# Altium PCB spd150.PcbDoc (part 9 of 16) (continued)
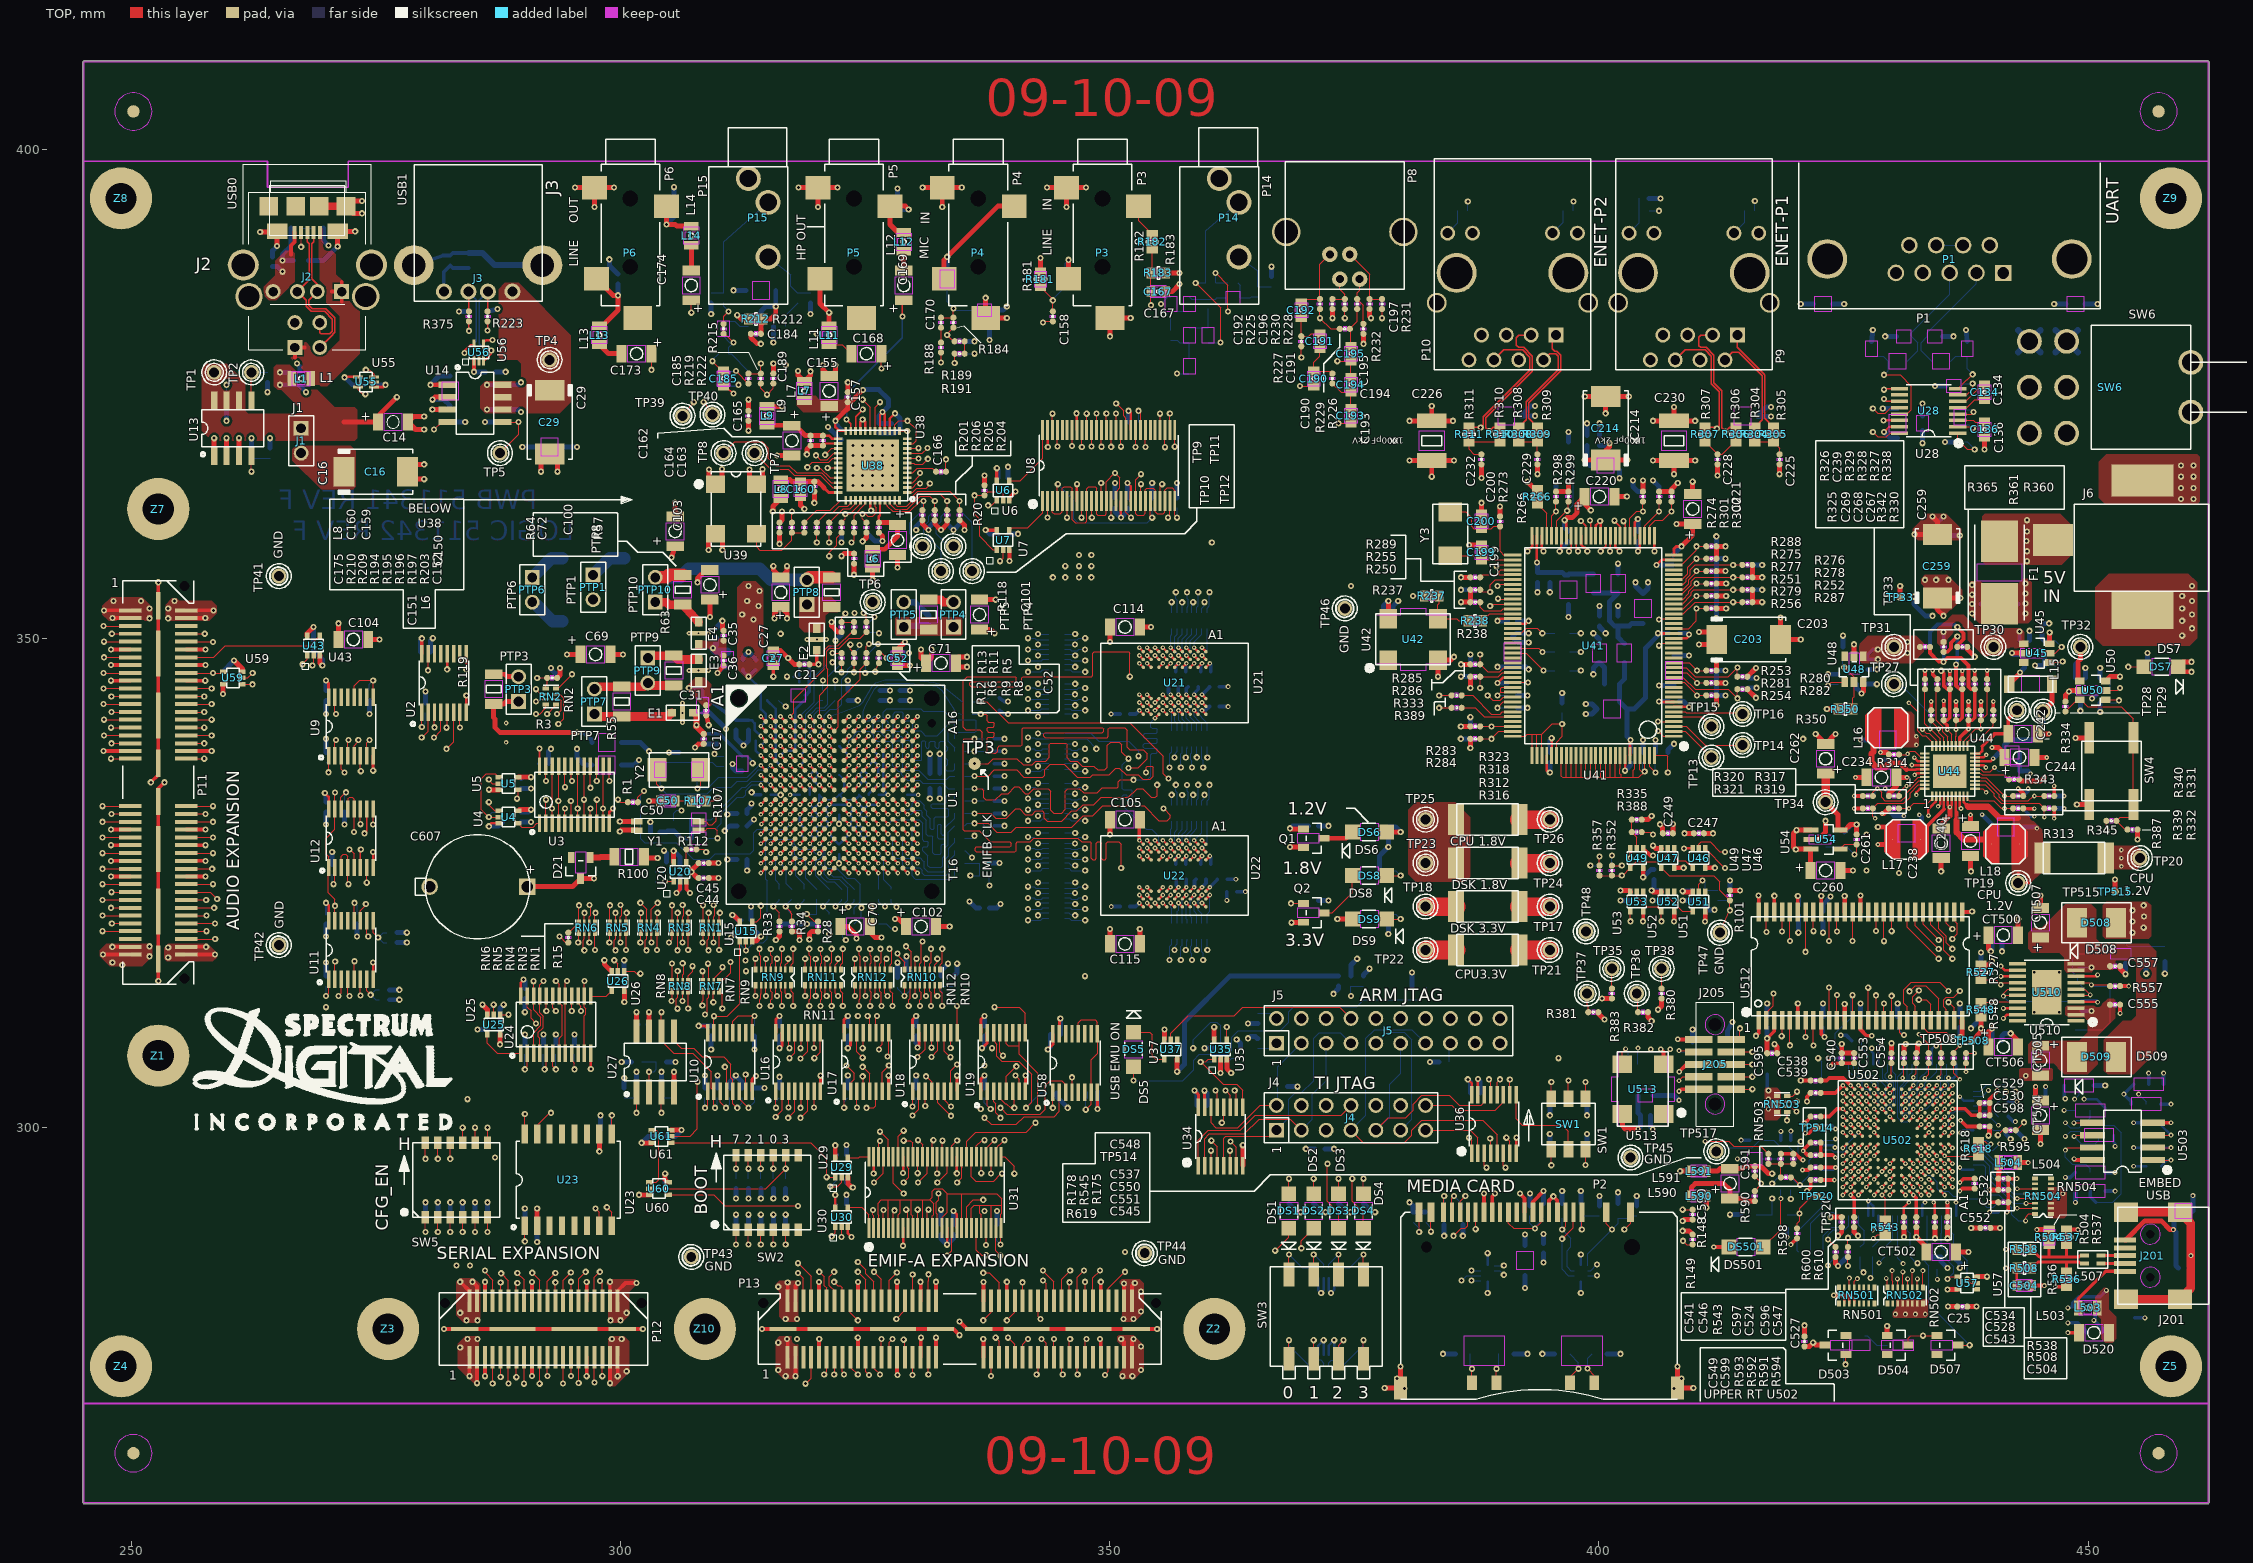
[diagram p0: TOP view]
## Nets (pads, with @x,y where several pads share a name; then routed paths per layer and width w, separated by ;. In a path a pad name is that pad's centre, name@x,y a point inside that pad or via, vN(x,y) a via of type N, cw(c..) or ccw(c..) an arc to the next point about the centre after c; other vN are vias at no path point) (continued)
  BOTTOM w0.127: v1(356.87,377.063) C176.1@358.14,377.063
HANDSET_SPKR_N: C185.1 U38.22 | length 23.1
  TOP w0.132: C185.1@310.515,375.793 v1(311.531,375.031) ; U38.22@324.005,371.196 324.005,372.646 v1(324.739,373.38)
  LYR4-SIG w0.132: v1(311.531,375.031) 311.531,375.539 310.642,376.428 310.642,377.317 311.531,378.206 312.547,378.206 313.944,376.809 315.849,376.809 318.48,374.178 322.87,374.178 323.883,373.164 323.952,373.052 324.134,373.007 v1(324.739,373.38)
HANDSET_SPKR_P: C169.1 C186.2 U38.23 | length 35.8
  TOP w0.132: v1(323.088,372.364) 323.505,371.947 U38.23@323.505,371.196 ; v1(328.803,382.905) 328.803,384.429 C169.1@328.93,384.556
  LYR4-SIG w0.132: v1(312.039,375.92) 311.965,375.846 311.584,375.846 310.896,376.535 310.896,377.21 311.638,377.952 312.44,377.952 313.837,376.555 315.742,376.555 318.374,373.924 322.763,373.924 323.68,373.004 323.685,372.994 323.731,372.92 323.69,372.737 v1(323.088,372.364)
  BOTTOM w0.132: C186.2@310.515,375.793 311.912,375.793 v1(312.039,375.92) ; v1(323.088,372.364) 323.088,375.031 328.803,380.746 v1(328.803,382.905)
HEADSET_MIC_N: C193.1 U38.10 | length 53.4
  TOP w0.127: U38.10@329.286,369.415 330.401,369.415 v1(330.426,369.44) ; v1(373.38,371.983) C193.1@374.65,371.983
  LYR3-SIG w0.127: v1(330.426,369.44) 330.07,369.44 329.438,368.808 329.438,368.046 330.073,367.411 330.962,367.411 331.343,367.03 335.915,367.03 343.916,375.031 370.332,375.031 v1(373.38,371.983)
HEADSET_MIC_P: C190.1 U38.9 | length 49.5
  TOP w0.127: U38.9@329.286,368.915 330.84,368.915 v1(331.368,369.443) ; v1(369.443,375.793) C190.1@370.84,375.793
  LYR3-SIG w0.127: v1(331.368,369.443) 331.216,369.443 330.683,368.91 330.175,368.91 329.819,368.554 329.819,368.046 330.2,367.665 331.089,367.665 331.343,367.411 335.153,367.411 343.154,375.412 369.062,375.412 v1(369.443,375.793)
HEADSET_SPKR_N: R231.1 U38.19 | length 61
  TOP w0.127: v1(324.739,374.396) 325.506,373.629 U38.19@325.506,371.196 ; v1(377.825,382.727) R231.1@377.825,383.667
  LYR7-SIG w0.127: v1(324.739,374.396) 326.263,375.92 348.615,375.92 354.457,381.762 376.86,381.762 v1(377.825,382.727)
HEADSET_SPKR_P: C168.1 R230.1 U38.18 | length 58.6
  TOP w0.127: U38.18@326.004,371.196 326.004,373.629 v1(326.517,374.142) ; v1(326.644,377.571) C168.1@326.644,379.095 ; v1(374.015,382.727) R230.1@374.015,383.667
  LYR7-SIG w0.127: v1(326.644,377.571) 349.25,377.571 353.695,382.016 373.304,382.016 v1(374.015,382.727)
  LYR8-SIG w0.127: v1(326.517,374.142) 326.644,374.269 v1(326.644,377.571)
HOLDN_WP: JP505.2 U503.7 | length 7
  TOP w0.127: v3(447.675,297.688) 447.929,297.942 U503.7@450.431,297.942
  BOTTOM w0.127: v3(447.675,297.688) 447.675,296.931 448.366,296.24 449.758,296.24 450.215,295.783 JP505.2@450.215,295.402
HWPOVR: R262.2 R279.1 U41.27 | length 4.9
  TOP w0.127: U41.27@407.645,353.004 408.63,353.004 v1(409.956,354.33) R279.1@410.972,354.33
  BOTTOM w0.127: v1(409.956,354.33) R262.2@410.972,354.33
I2C0_SCL: P11.7 P12.19 R42.2 R333.1 U10.2 U27.6 U38.1 U44.30 | length 369.8
  TOP w0.127: v1(247.98,350.469) P11.7@249.86,350.469 ; v1(291.719,273.812) P12.19@291.719,276.53 ; v1(304.165,311.785) U27.6@304.165,309.791 304.165,308.864 305.435,307.594 307.34,307.594 309.245,305.689 309.245,303.997 U10.2@309.524,303.718 309.524,302.108 v1(309.626,302.006) ; U38.1@329.286,364.917 329.865,364.917 330.276,365.328 331.216,365.328 331.597,365.709 v1(331.597,365.836) ; v1(383.667,344.17) R333.1@384.937,344.17 ; v2(431.673,343.408) 432.562,342.519 432.562,340.538 433.045,340.055 433.4,340.055 434.066,339.39 U44.30@434.066,338.988
  LYR3-SIG w0.127: v1(331.597,365.836) 338.785,365.836 339.471,366.522 342.265,366.522 343.916,368.173 356.235,368.173 379.285,345.123 382.714,345.123 v1(383.667,344.17) 387.35,344.17 392.811,338.709 407.416,338.709 409.575,336.55 413.639,336.55 420.497,343.408 v2(431.673,343.408)
  LYR4-SIG w0.127: v1(291.719,273.812) 292.608,273.812 293.243,274.447 294.259,274.447 295.402,273.304 297.586,273.304 305.562,281.28 305.562,297.053 309.626,301.117 v1(309.626,302.006) ; v1(304.165,311.785) 304.165,312.674 306.578,315.087 308.262,315.087 310.642,317.467 310.642,318.577 308.166,321.053 308.166,321.627 306.387,323.405 304.863,323.405 300.482,327.787 300.482,338.074 304.165,341.757 304.165,343.662 305.562,345.059 305.562,346.71 308.864,350.012 309.499,350.012 311.658,352.171 311.658,353.949 312.547,354.838 313.309,354.838 314.325,355.854 316.992,355.854 319.024,357.886 323.596,357.886 325.628,359.918 325.628,361.823 330.2,366.395 331.038,366.395 v1(331.597,365.836)
  LYR7-SIG w0.127: v1(247.98,350.469) 248.768,351.257 252.324,351.257 252.73,351.663 252.73,354.965 254.762,356.997 259.105,356.997 272.821,370.713 288.925,370.713 293.37,375.158 310.134,375.158 312.166,373.126 322.199,373.126 322.453,372.872 322.453,371.983 322.834,371.602 327.279,371.602 329.565,369.316 329.565,366.852 330.048,366.37 331.064,366.37 v1(331.597,365.836)
  BOTTOM w0.127: v1(309.626,302.006) 309.88,302.26 R42.2@309.88,303.022
I2C0_SDA: P11.5 P12.21 R40.2 R389.1 U10.5 U27.5 U38.2 U44.29 | length 366.6
  TOP w0.127: v1(247.142,351.257) P11.5@249.86,351.257 ; v1(292.506,274.599) P12.21@292.506,276.53 ; U27.5@305.435,309.791 305.435,308.864 306.197,308.102 307.467,308.102 308.356,307.213 310.528,307.213 311.257,306.484 311.257,305.097 311.475,304.879 U10.5@311.475,303.718 311.475,302.443 v1(311.912,302.006) ; U38.2@329.286,365.415 329.855,365.415 330.276,365.836 v1(330.581,365.836) ; v1(383.667,342.9) R389.1@384.937,342.9 ; v2(433.07,340.688) 433.448,340.309 433.756,340.309 434.464,339.601 U44.29@434.464,338.988
  LYR3-SIG w0.127: v1(330.581,365.836) 331.292,365.125 339.344,365.125 340.055,365.836 342.087,365.836 344.17,367.919 356.108,367.919 380.428,343.599 382.969,343.599 v1(383.667,342.9) 387.812,342.9 391.922,338.79 391.922,338.328 394.589,335.661 413.385,335.661 418.719,340.995 425.016,340.995 425.323,340.688 v2(433.07,340.688)
  LYR4-SIG w0.127: v1(292.506,274.599) 292.506,276.758 299.466,283.718 299.466,294.813 299.928,295.275 307.932,303.276 310.642,303.276 v1(311.912,302.006) 311.912,304.038 309.88,306.07 309.88,307.594 311.658,309.372 311.658,314.198 312.039,314.579 312.039,317.551 308.737,320.853 308.737,321.437 306.324,323.85 306.324,324.231 306.07,324.485 304.165,324.485 300.736,327.914 300.736,337.82 304.8,341.884 304.8,343.408 305.94,344.548 305.94,346.453 308.991,349.504 312.166,349.504 317.373,354.711 320.929,354.711 326.263,360.045 326.263,361.518 v1(330.581,365.836)
  LYR7-SIG w0.127: v1(247.142,351.257) 247.142,350.52 247.701,349.961 248.412,349.961 248.92,350.469 253.365,350.469 271.577,368.681 282.956,368.681 283.781,367.856 289.877,367.856 292.354,370.332 321.183,370.332 323.342,368.173 328.041,368.173 328.803,367.411 328.803,366.522 329.489,365.836 v1(330.581,365.836)
  BOTTOM w0.127: v1(311.912,302.006) 312.42,302.514 R40.2@312.42,303.022
JCLK: R604.1 U511.61 | length 3.3
  BOTTOM w0.127: U511.61@431.531,290.957 431.531,289.448 431.8,289.179 R604.1@431.8,287.782
JTAG_EMU0: J4.13 U36.2 | length 7.3
  TOP w0.127: J4.13@382.27,299.72 386.842,299.72 387.629,298.933 U36.2@387.629,297.368
JTAG_EMU1: J4.14 U36.11 | length 9.3
  TOP w0.127: J4.14@382.27,302.26 384.937,302.26 385.445,301.752 389.382,301.752 390.23,302.6 U36.11@390.23,303.342
JTAG_RTCK: J4.9 J5.11 U36.14 | length 24.2
  TOP w0.127: J4.9@377.19,299.72 378.46,300.99 380.238,300.99 381,301.752 381,302.387 381.889,303.276 384.683,303.276 385.699,302.26 387.985,302.26 388.28,302.555 U36.14@388.28,303.342
  BOTTOM w0.127: J4.9@377.19,299.72 378.587,301.117 378.587,304.419 379.73,305.562 J5.11@379.73,308.61
JTAG_TCK: J4.11 J5.9 U34.11 | length 36.1
  TOP w0.127: v1(361.823,303.784) 362.29,303.317 U34.11@362.29,302.072
  LYR3-SIG w0.127: v1(361.823,303.784) 362.331,304.292 363.347,304.292 366.649,300.99 378.46,300.99 J4.11@379.73,299.72
  BOTTOM w0.127: J5.9@377.19,308.61 378.333,309.753 380.111,309.753 380.873,308.991 380.873,300.863 J4.11@379.73,299.72
JTAG_TDI: J4.3 J5.5 U34.2 | length 23.9
  TOP w0.127: U34.2@359.689,296.098 359.689,298.856 360.172,299.339 363.728,299.339 365.252,300.863 368.427,300.863 J4.3@369.57,299.72
  BOTTOM w0.127: J4.3@369.57,299.72 370.713,300.863 370.713,303.403 372.11,304.8 J5.5@372.11,308.61
JTAG_TDO: J4.7 J5.13 U36.5 | length 36.3
  TOP w0.127: J4.7@374.65,299.72 375.92,298.45 380.111,298.45 380.873,299.212 380.873,299.72 381.889,300.736 388.112,300.736 389.58,299.268 U36.5@389.58,297.368
  BOTTOM w0.127: J4.7@374.65,299.72 376.174,301.244 376.174,309.118 377.063,310.007 380.873,310.007 J5.13@382.27,308.61
JTAG_TMS: J4.1 J5.7 U34.5 | length 24.4
  TOP w0.127: U34.5@361.64,296.098 361.64,298.902 361.823,299.085 366.395,299.085 J4.1@367.03,299.72
  BOTTOM w0.127: J4.1@367.03,299.72 368.3,300.99 368.3,302.895 368.935,303.53 369.57,303.53 370.84,304.8 370.84,309.118 371.411,309.69 373.57,309.69 J5.7@374.65,308.61
JTAG_TRSTN: R605.1 U511.71 | length 3.6
  BOTTOM w0.127: U511.71@426.527,290.957 426.527,290.007 427.101,289.433 427.101,288.163 R605.1@426.72,287.782
JTAG_TRSTN_223: J4.2 J5.3 R169.1 U34.14 | length 16.8
  TOP w0.127: U34.14@360.34,302.072 360.34,300.482 360.848,299.974 363.093,299.974 365.379,302.26 J4.2@367.03,302.26
  BOTTOM w0.127: J4.2@367.03,302.26 367.157,302.387 R169.1@367.157,304.165 367.157,306.197 J5.3@369.57,308.61
M_EMIFB_D16: RN22.8 U22.A8 | length 3.6
  TOP w0.254: U22.A8@359.819,323.355 v2(360.218,323.756)
  BOTTOM w0.127: RN22.8@359.959,320.853 359.959,321.818 360.218,322.077 v2(360.218,323.756)
M_EMIFB_D17: RN22.6 U22.B9 | length 2.8
  TOP w0.254: v2(358.618,322.956) U22.B9@359.019,322.555
  BOTTOM w0.127: v2(358.618,322.956) 358.618,322.087 358.887,321.818 RN22.6@358.887,320.853
M_EMIFB_D18: RN22.7 U22.B8 | length 3.8
  TOP w0.254: U22.B8@359.019,323.355 v2(359.418,323.756)
  BOTTOM w0.102: 359.283,321.945 359.024,322.204 359.024,323.121 359.418,323.515 v2(359.418,323.756)
  BOTTOM w0.127: 359.283,321.945 359.385,321.843 RN22.7@359.385,320.853
M_EMIFB_D19: RN22.4 U22.C9 | length 2.7
  TOP w0.254: v2(357.817,322.956) U22.C9@358.219,322.555
  BOTTOM w0.127: v2(357.817,322.956) 357.817,321.945 357.817,321.361 357.891,321.287 RN22.4@357.891,320.853
M_EMIFB_D20: RN22.5 U22.C8 | length 3.7
  TOP w0.254: U22.C8@358.219,323.355 v2(358.618,323.756)
  BOTTOM w0.102: 358.224,321.988 358.224,323.121 358.618,323.515 v2(358.618,323.756)
  BOTTOM w0.127: 358.224,321.988 358.224,321.607 358.394,321.437 358.394,320.858 RN22.5@358.389,320.853
M_EMIFB_D21: RN22.2 U22.D9 | length 2.7
  TOP w0.254: v2(357.017,322.956) U22.D9@357.419,322.555
  BOTTOM w0.127: RN22.2@356.895,320.853 356.895,322.077 357.017,322.199 v2(357.017,322.956)
M_EMIFB_D22: RN22.3 U22.D8 | length 3.6
  TOP w0.254: U22.D8@357.419,323.355 v2(357.817,323.756)
  BOTTOM w0.102: 357.393,321.945 357.411,321.963 357.411,323.35 v2(357.817,323.756)
  BOTTOM w0.127: RN22.3@357.393,320.853 357.393,321.945
M_EMIFB_D23: RN22.1 U22.E9 | length 2.7
  TOP w0.254: v2(356.217,322.956) U22.E9@356.619,322.555
  BOTTOM w0.127: v2(356.217,322.956) 356.217,322.453 356.321,322.349 356.321,321.945 RN22.1@356.321,320.853
MBSP1IO_CLKX: RN504.11 U502.C8 U511.40 | length 31.2
  TOP w0.127: v3(442.747,293.736) RN504.11@444.576,293.736
  TOP w0.254: v2(429.727,294.701) U502.C8@430.129,295.102
  LYR3-SIG w0.102: v2(429.727,294.701) 429.334,294.307 429.334,292.153 430.53,290.957
  LYR3-SIG w0.127: 430.53,290.957 431.038,290.449 442.849,290.449 444.5,292.1 444.5,293.37 444.134,293.736 v3(442.747,293.736)
  BOTTOM w0.127: U511.40@438.277,297.703 439.278,297.703 441.96,295.021 441.96,294.513 442.737,293.736 v3(442.747,293.736)
MBSP1IO_DR: RN504.14 U502.D8 U511.43 | length 26.4
  TOP w0.127: v3(443.652,292.242) RN504.14@444.576,292.242
  TOP w0.254: v2(429.727,295.501) U502.D8@430.129,295.902
  LYR3-SIG w0.102: v2(429.727,295.501) 430.337,294.891 430.337,292.547 431.546,291.338 437.896,291.338
  LYR3-SIG w0.127: 437.896,291.338 438.467,291.909 441.261,291.909 441.594,292.242 v3(443.652,292.242)
  BOTTOM w0.127: U511.43@438.277,296.202 439.255,296.202 439.547,295.91 439.547,295.021 442.326,292.242 v3(443.652,292.242)
MBSP1IO_FSR: RN504.12 U502.A7 U511.41 | length 22.4
  TOP w0.127: v3(443.652,293.238) RN504.12@444.576,293.238
  TOP w0.254: U502.A7@430.931,293.502 v2(431.33,293.101)
  LYR3-SIG w0.102: v2(431.33,293.101) 431.683,292.748 431.914,292.748 432.702,291.96 436.867,291.96
  LYR3-SIG w0.127: 436.867,291.96 438.092,293.185 439.737,293.185 439.743,293.179 440.113,293.179 440.172,293.238 v3(443.652,293.238)
  BOTTOM w0.127: U511.41@438.277,297.203 439.27,297.203 440.309,296.164 440.309,295.275 442.346,293.238 v3(443.652,293.238)
MBSP1IO_FSX: RN504.13 U502.E8 U511.42 | length 26.1
  TOP w0.127: v3(442.747,292.74) RN504.13@444.576,292.74
  TOP w0.254: v2(429.727,296.301) U502.E8@430.129,296.702
  LYR3-SIG w0.102: v2(429.727,296.301) 430.54,295.488 430.54,292.862 431.81,291.592 437.261,291.592
  LYR3-SIG w0.127: 437.261,291.592 438.531,292.862 440.822,292.862 440.944,292.74 v3(442.747,292.74)
  BOTTOM w0.127: U511.42@438.277,296.702 439.263,296.702 439.928,296.037 439.928,295.148 442.336,292.74 v3(442.747,292.74)
MBSP2IO_CLKR: R543.1 U502.A9 | length 3.2
  TOP w0.102: v2(428.927,293.101) 429.26,292.768 R543.1@429.26,290.957
  TOP w0.127: v2(428.927,293.101) U502.A9@429.329,293.502 ; R543.1@429.26,290.576 R543.1@429.26,290.957
MIC_BIAS_HS: R190.1 R211.1 R217.1 R225.1 R229.1 | length 48.6
  TOP w0.127: v1(360.807,387.35) 362.077,386.08 v1(362.077,383.413) ; R225.1@371.475,383.667 v1(371.475,382.727) 372.567,381.635 R229.1@373.507,381.635
  LYR7-SIG w0.127: v1(336.169,379.095) 350.139,379.095 353.568,382.524 361.188,382.524 v1(362.077,383.413) 362.839,382.651 371.399,382.651 v1(371.475,382.727)
  BOTTOM w0.127: R190.1@335.153,379.095 v1(336.169,379.095) ; v1(360.807,387.35) R211.1@360.807,386.334 R217.1@362.077,386.334
MMC_SD_CLK: P2.5 P2.20 R156.2 R166.1 U31.36 U32.3 | length 83.7
  TOP w0.127: U31.36@335.354,297.002 335.354,298.597 336.291,299.535 341.445,299.535 v1(342.392,300.482) ; P2.5@390.743,291.338 390.743,290.231 391.287,289.687 v1(393.446,289.687) 394.094,290.335 P2.20@394.094,291.338
  LYR3-SIG w0.127: v1(342.392,300.482) 354.965,300.482 361.442,294.005 388.366,294.005 388.75,293.621 388.75,292.989 392.052,289.687 v1(393.446,289.687)
  LYR4-SIG w0.127: v1(393.446,289.687) 393.446,289.179 397.764,284.861 v1(399.796,284.861)
  BOTTOM w0.127: R166.1@392.938,290.957 392.938,290.195 v1(393.446,289.687) 393.446,289.814 R156.2@394.335,290.703 ; U32.3@398.831,284.861 v1(399.796,284.861)
MMC_SD_CMD: P2.2 P2.17 R155.2 R165.1 U31.34 U32.2 | length 85.1
  TOP w0.127: U31.34@336.354,297.002 336.354,298.127 336.931,298.704 v1(337.185,298.704) ; v1(387.393,289.603) P2.17@387.393,291.338 ; v1(398.242,289.56) P2.2@398.242,291.338
  LYR3-SIG w0.127: v1(337.185,298.704) 337.185,298.196 338.201,297.18 353.187,297.18 360.426,289.941 377.571,289.941 381.254,286.258 384.134,286.258 386.588,288.712 386.588,288.798 v1(387.393,289.603) 387.434,289.603 389.89,287.147 397.256,287.147 398.242,288.133 v1(398.242,289.56)
  LYR4-SIG w0.127: v1(398.242,289.56) 399.796,288.006 v1(399.796,286.004)
  BOTTOM w0.127: v1(398.242,289.56) 398.145,289.657 R155.2@398.145,290.703 398.399,290.957 R165.1@400.05,290.957 ; U32.2@398.831,285.369 399.161,285.369 v1(399.796,286.004)
MMC_SD_DATA0: P2.7 P2.22 R157.2 U31.54 U32.8 | length 90.1
  TOP w0.127: U31.54@326.357,297.002 326.357,298.468 v1(326.517,298.628) ; P2.7@385.818,291.338 385.818,292.473 v1(386.334,292.989) ; v1(396.24,289.56) 396.593,289.913 P2.22@396.593,291.338
  LYR3-SIG w0.127: v1(326.517,298.628) 327.05,299.161 329.514,299.161 330.302,299.949 339.115,299.949 339.979,299.085 354.203,299.085 360.553,292.735 379.349,292.735 380.365,291.719 385.064,291.719 v1(386.334,292.989) 391.287,288.036 396.392,288.036 396.748,288.392 396.748,289.052 v1(396.24,289.56)
  BOTTOM w0.127: R157.2@396.24,290.703 v1(396.24,289.56) 397.129,288.671 397.129,287.782 396.748,287.401 396.748,285.75 397.129,285.369 U32.8@397.459,285.369
MMC_SD_DATA1: P2.8 P2.23 R158.2 U31.52 U32.7 | length 89.3
  TOP w0.127: v1(326.517,299.568) 327.355,298.729 U31.52@327.355,297.002 ; P2.8@384.117,291.338 384.117,292.931 v1(384.175,292.989) ; v1(396.24,288.62) 397.393,289.773 P2.23@397.393,291.338
  LYR3-SIG w0.127: v1(326.517,299.568) 327.406,300.457 339.877,300.457 340.487,299.847 354.838,299.847 361.188,293.497 382.143,293.497 382.651,292.989 v1(384.175,292.989) 384.683,293.497 386.715,293.497 391.693,288.519 394.995,288.519 395.097,288.62 v1(396.24,288.62)
  BOTTOM w0.127: R158.2@384.175,291.592 v1(384.175,292.989) ; v1(396.24,288.62) 396.24,285.496 396.875,284.861 U32.7@397.459,284.861
MMC_SD_DATA2: P2.9 P2.24 R159.2 U31.50 U33.2 | length 94.4
  TOP w0.127: U31.50@328.356,297.002 328.356,299.095 v1(328.93,299.669) ; P2.24@384.967,291.338 384.967,292.765 v1(385.191,292.989) ; v1(402.59,289.56) 403.243,290.213 P2.9@403.243,291.338
  LYR3-SIG w0.127: v1(328.93,299.669) 329.463,300.203 339.496,300.203 340.233,299.466 354.457,299.466 360.807,293.116 381.381,293.116 382.079,292.417 384.619,292.417 v1(385.191,292.989) ; v1(390.271,284.937) 397.586,284.937 400.812,288.163 401.193,288.163 v1(402.59,289.56)
  LYR4-SIG w0.127: v1(385.191,292.989) 386.715,291.465 386.715,287.782 389.56,284.937 v1(390.271,284.937)
  BOTTOM w0.127: v1(385.191,292.989) 386.08,292.1 R159.2@386.08,291.592 ; U33.2@389.306,285.369 389.839,285.369 v1(390.271,284.937)
MMC_SD_DATA3: P2.1 P2.16 R154.2 R164.1 U31.47 U32.1 | length 99.5
  TOP w0.127: v1(328.93,298.653) 329.616,298.653 329.855,298.414 U31.47@329.855,297.002 ; v1(385.14,288.925) 385.902,289.687 386.334,289.687 386.598,289.951 P2.16@386.598,291.338 ; P2.1@400.743,291.338 400.743,290.137 v1(401.32,289.56)
  LYR3-SIG w0.127: v1(328.93,298.653) 329.387,298.653 330.429,299.695 337.083,299.695 337.693,299.085 337.693,298.493 338.625,297.561 353.441,297.561 360.68,290.322 377.825,290.322 381.508,286.639 383.54,286.639 385.14,288.239 v1(385.14,288.925) 386.41,290.195 387.858,290.195 390.398,287.655 397.002,287.655 397.383,288.036 397.383,289.433 398.145,290.195 400.685,290.195 v1(401.32,289.56)
  BOTTOM w0.127: U32.1@398.831,285.877 398.831,287.071 v1(401.32,289.56) 401.955,290.195 R154.2@401.955,290.703 402.971,290.703 403.225,290.957 R164.1@403.86,290.957
MMC_SD_DATA4: P2.10 R160.2 U31.45 U33.1 | length 86.2
  TOP w0.127: v1(330.378,298.704) 330.855,298.226 U31.45@330.855,297.002 ; v1(398.831,275.351) 398.831,275.321 399.517,274.635 P2.10@399.517,273.906
  LYR3-SIG w0.127: v1(330.378,298.704) 331.114,299.441 335.432,299.441 338.074,296.799 352.933,296.799 360.172,289.56 377.19,289.56 380.873,285.877 v1(390.271,285.877)
  LYR4-SIG w0.127: v1(390.271,285.877) 391.16,284.988 391.16,283.022 v1(398.831,275.351)
  BOTTOM w0.127: U33.1@389.306,285.877 v1(390.271,285.877) ; v1(398.831,275.351) 398.831,276.403 R160.2@399.288,276.86
MMC_SD_DATA5: P2.11 R161.2 U31.43 U33.8 | length 82.4
  TOP w0.127: U31.43@331.856,297.002 331.856,298.607 v1(331.953,298.704) ; P2.11@397.017,273.906 397.017,274.462 v1(397.891,275.336)
  LYR3-SIG w0.127: v1(331.953,298.704) 332.435,299.187 334.924,299.187 337.82,296.291 352.806,296.291 359.918,289.179 376.809,289.179 380.619,285.369 v1(386.969,285.369)
  LYR4-SIG w0.127: v1(386.969,285.369) 387.858,285.369 v1(397.891,275.336)
  BOTTOM w0.127: v1(386.969,285.369) U33.8@387.934,285.369 ; R161.2@397.002,276.86 397.891,275.971 v1(397.891,275.336)
MMC_SD_DATA6: P2.12 R162.2 U31.41 U33.7 | length 79.6
  TOP w0.127: U31.41@332.854,297.002 332.854,298.615 v1(332.892,298.653) ; P2.12@389.517,273.906 v1(389.517,275.336)
  LYR3-SIG w0.127: v1(332.892,298.653) 334.391,297.155 334.391,296.85 336.601,294.64 352.933,294.64 359.156,288.417 375.412,288.417 379.476,284.353 v1(385.953,284.353)
  LYR4-SIG w0.127: v1(385.953,284.353) 385.953,274.955 386.461,274.447 388.628,274.447 v1(389.517,275.336)
  BOTTOM w0.127: v1(385.953,284.353) 386.461,284.861 U33.7@387.934,284.861 ; v1(389.517,275.336) 389.763,275.582 R162.2@389.763,276.86
MMC_SD_DATA7: P2.13 R163.2 U31.39 U33.6 | length 73.5
  TOP w0.127: U31.39@333.855,297.002 333.855,298.143 v1(334.391,298.679) ; P2.13@387.017,273.906 v1(387.017,275.336)
  LYR3-SIG w0.127: v1(334.391,298.679) 337.287,295.783 337.609,295.783 337.642,295.816 338.064,295.816 338.097,295.783 352.552,295.783 359.537,288.798 376.238,288.798 380.047,284.988 386.334,284.988 v1(386.969,284.353)
  LYR4-SIG w0.127: v1(386.969,284.353) 386.969,275.384 v1(387.017,275.336)
  BOTTOM w0.127: R163.2@386.842,276.86 386.842,275.511 v1(387.017,275.336) ; v1(386.969,284.353) U33.6@387.934,284.353
MMC_SD_INS: P2.15 R167.1 U31.30 | length 52.7
  TOP w0.127: U31.30@338.353,297.002 338.353,297.851 338.712,298.209 338.722,298.209 v1(339.217,298.704) ; v1(382.819,289.347) P2.15@382.819,291.338
  LYR3-SIG w0.127: v1(339.217,298.704) 353.822,298.704 360.172,292.354 378.714,292.354 380.619,290.449 381.716,290.449 v1(382.819,289.347)
  BOTTOM w0.127: R167.1@382.27,290.322 382.819,289.773 v1(382.819,289.347)
MMC_SD_WP: P2.14 R168.1 U31.32 | length 52.6
  TOP w0.127: U31.32@337.353,297.002 337.353,297.856 v1(338.201,298.704) ; v1(381.617,289.324) P2.14@381.617,291.338
  LYR3-SIG w0.127: v1(338.201,298.704) 338.963,297.942 353.822,297.942 361.061,290.703 379.349,290.703 380.728,289.324 v1(381.617,289.324)
  BOTTOM w0.127: R168.1@381,290.322 381.617,289.705 v1(381.617,289.324)
N001670: DS8.1 Q2.3 | length 5.5
  TOP w0.127: Q2.3@371.907,321.945 372.745,321.945 374.802,324.002 DS8.1@374.802,325.755
N002190: DS6.1 Q1.3 | length 3.2
  TOP w0.508: Q1.3@371.907,329.565 374.142,329.565 374.777,330.2 DS6.1@374.802,330.2
N02318: DS501.2 R511.2 | length 6.6
  TOP w0.127: DS501.2@416.789,287.782 416.814,287.782 418.592,289.56 v3(418.592,292.735)
  BOTTOM w0.127: v3(418.592,292.735) R511.2@418.592,293.624
N67490: R511.1 U502.E14 | length 10
  TOP w0.254: v2(424.927,296.301) U502.E14@425.328,296.702
  LYR3-SIG w0.102: 422.783,296.301 424.012,296.301 424.015,296.304 424.345,296.304 424.348,296.301 v2(424.927,296.301)
  LYR3-SIG w0.127: v1(419.608,292.684) 419.608,295.529 420.243,296.164 421.132,296.164 421.269,296.301 422.783,296.301
  BOTTOM w0.127: v1(419.608,292.684) R511.1@419.608,293.624
N1545623: C535.1 J201.6 J201.7 J201.8 J201.9 R539.1 | length 23.5
  TOP w0.889: J201.6@453.873,282.448 J201.8@459.384,282.448 460.502,283.566 v3(460.502,286.893) 460.502,290.22 J201.9@459.384,291.338 J201.7@453.873,291.338
  BOTTOM w0.381: C535.1@460.248,285.623 460.502,285.877 v3(460.502,286.893) R539.1@460.502,288.163
N1545643: C535.2 J201.5 L505.1 R539.2 | length 12.2
  TOP w0.508: J201.5@453.771,288.493 453.847,288.493 455.803,290.449 457.484,290.449 458.373,289.56 v3(458.724,289.56)
  BOTTOM w0.508: L505.1@458.775,291.465 458.775,289.611 v3(458.724,289.56) 458.978,289.306 R539.2@458.978,288.163 458.978,285.877 C535.2@459.232,285.623
N1546520: J201.1 L503.1 | length 6.9
  TOP w0.381: L503.1@448.996,281.559 448.996,282.499 451.79,285.293 J201.1@453.771,285.293
N1547545: L507.4 R508.2 R536.1 | length 6.7
  TOP w0.305: R508.2@444.246,285.623 444.881,286.258 447.802,286.258 ; R536.1@447.802,285.242 447.802,286.258 ; L507.4@449.631,286.106 449.224,286.106 449.072,286.258 447.802,286.258
N1547560: L507.1 R504.2 R537.1 R538.2 | length 8.3
  TOP w0.305: R538.2@444.246,287.528 445.008,286.766 446.024,286.766 ; R504.2@446.024,288.036 446.024,286.766 ; R537.1@447.802,288.036 447.802,286.766 ; L507.1@449.631,286.918 449.199,286.918 449.047,286.766 447.802,286.766 ; 446.024,286.766 447.802,286.766
N13791025: C606.1 L592.1 U513.4 | length 6.6
  TOP w0.508: U513.4@402.387,301.371 402.387,300.177 402.717,299.847 v3(403.987,299.847)
  BOTTOM w0.508: v3(403.987,299.847) 404.241,300.101 C606.1@404.241,301.244 403.987,301.498 L592.1@403.987,303.276
N15763168: D504.3 D506.1 D507.1 | length 5.3
  TOP w0.127: D504.3@431.597,277.749 431.597,278.46 431.851,278.714 v1(433.121,278.714) D507.1@434.543,278.714
  BOTTOM w0.127: D506.1@431.597,278.714 v1(433.121,278.714)
N15763370: D505.1 D506.3 | length 2.7
  BOTTOM w0.127: D505.1@427.152,278.714 427.406,278.714 428.371,277.749 D506.3@429.463,277.749
N15763374: D503.1 D505.3 | length 3
  TOP w0.127: v1(425.196,275.793) 425.247,275.844 D503.1@425.247,276.784
  BOTTOM w0.127: D505.3@425.018,277.749 425.018,275.971 v1(425.196,275.793)
N16180002: J201.2 L507.3 | length 2.5
  TOP w0.305: L507.3@451.307,286.106 451.955,286.093 J201.2@453.771,286.093
N16180056: J201.3 L507.2 | length 2.5
  TOP w0.305: L507.2@451.307,286.918 451.333,286.893 J201.3@453.771,286.893
N16216944: TP507.1 U502.F5 | length 15.7
  TOP w0.254: U502.F5@432.532,297.503 v2(432.93,297.101)
  LYR4-SIG w0.102: v2(432.93,297.101) 433.337,296.695 433.936,296.695 434.137,296.494 434.137,294.589 434.924,293.802 434.924,292.862 435.102,292.684 435.102,290.957
  LYR4-SIG w0.127: v3(434.594,284.48) 434.594,287.147 435.102,287.655 435.102,290.957
  BOTTOM w0.127: v3(434.594,284.48) TP507.1@434.594,285.496
N16299235: C555.1 CT505.1 D509.1 R551.1 U510.2 U510.3 | length 1
  BOTTOM w0.381: R551.1@449.326,311.912 v1(450.342,311.912)
N16299239: R551.2 U510.4 U510.15 U510.16 | length 15.5
  TOP w0.127: U510.16@442.783,313.492 441.381,313.492 v3(441.325,313.436) 441.325,313.69 441.777,314.142 U510.15@442.783,314.142
  TOP w0.254: U510.4@448.757,312.842 450.936,312.842 v3(450.977,312.801)
  BOTTOM w0.127: v3(441.325,313.436) 441.833,312.928 R551.2@449.326,312.928
  BOTTOM w0.381: R551.2@449.326,312.928 450.85,312.928 v3(450.977,312.801)
N16299247: Q501.D R553.2 U510.5 U510.6 | length 11.1
  TOP w0.127: U510.5@448.757,313.492 450.144,313.492 v3(450.215,313.563) 449.636,314.142 U510.6@448.757,314.142
  BOTTOM w0.127: v3(450.215,313.563) 448.945,314.833 R553.2@448.945,315.341 448.437,315.849 448.437,317.246 448.945,317.754 Q501.D@451.688,317.754
N16299267: C557.1 CT507.1 D508.1 D509.2 R553.1 U510.9 U510.10 | length 1.4
  BOTTOM w0.127: R553.1@448.945,316.357 v1(450.342,316.357)
N16299431: Q501.G R554.2 R555.1 | length 4.1
  BOTTOM w0.127: Q501.G@453.822,318.719 454.025,318.516 R555.1@455.93,318.516 R554.2@457.835,318.516
N16300215: R548.2 R549.1 U510.17 | length 5.3
  TOP w0.127: R548.2@439.039,312.801 440.309,312.801 v3(440.436,312.928) 440.522,312.842 U510.17@442.783,312.842
  BOTTOM w0.127: R549.1@439.039,312.801 440.309,312.801 v3(440.436,312.928)
N16300219: R527.2 R528.1 U510.14 | length 6.3
  TOP w0.127: R527.2@439.039,315.087 440.563,315.087 v4(441.071,314.579) 441.284,314.792 U510.14@442.783,314.792
  BOTTOM w0.127: R528.1@439.039,315.087 440.563,315.087 v4(441.071,314.579)
N16404386: C591.1 R590.2 U502.G11 | length 16.4
  TOP w0.127: R590.2@415.925,293.497 416.56,294.132 v1(416.56,294.259) 416.56,294.386 C591.1@415.925,295.021
  TOP w0.254: v2(427.327,297.901) U502.G11@427.728,298.303
  LYR3-SIG w0.102: 422.783,298.425 426.804,298.425 v2(427.327,297.901)
  LYR3-SIG w0.127: v1(416.56,294.259) 416.56,296.037 418.211,297.688 420.129,297.688 420.497,298.056 421.018,298.056 421.386,298.425 422.783,298.425
N16404807: C590.2 C591.2 L591.2 U502.G12 | length 7.8
  TOP w0.254: v2(426.527,297.901) U502.G12@426.928,298.303
  TOP w0.508: L591.2@410.972,295.529 412.115,295.529 412.369,295.783 C590.2@413.385,295.783 414.655,295.783 414.909,296.037 C591.2@415.925,296.037 416.56,296.037 417.322,295.275 v1(417.703,295.275)
N16404885: C590.1 L590.1 R590.1 | length 8.8
  TOP w0.508: L590.1@409.448,292.989 409.448,293.878 409.829,294.259 412.75,294.259 413.385,293.624 C590.1@413.385,292.735 414.655,292.735 414.909,292.481 R590.1@415.925,292.481
N16493043: C518.1 R525.2 | length 1.7
  BOTTOM w0.127: C518.1@416.687,296.799 R525.2@418.338,296.799
N16547953: R617.2 U513.3 | length 3.4
  TOP w0.127: U513.3@402.387,306.451 402.387,307.68 v3(402.732,308.026)
  BOTTOM w0.127: v3(402.732,308.026) 402.971,307.787 R617.2@402.971,306.451

## Text inside footprints (layer, text, board x,y; h text height)
R57: PIN_NUMBER "2" at 321.666,356.235 h1.02 r90; PIN_NUMBER "1" at 321.666,353.187 h1.02 r90; ASSEMBLY_TOP "0.02" at 322.072,353.568 h1.02 r90; ASSEMBLY_TOP "X" at 322.072,354.584 h1.02 r90; ASSEMBLY_TOP "X" at 321.945,355.346 h1.02 r90; SYMB_DIM "PAD 40X70OV" at 316.459,365.506 h1.02 r90; SYMB_DIM "SM  48X78OV" at 318.237,365.506 h1.02 r90; SYMB_DIM "SP  40X70OV" at 320.269,365.506 h1.02 r90; SYMB_DIM "R1206-40X70" at 312.014,354.711 h1.02 r90; SYMB_DIM "0" at 325.374,354.076 h1.02 r90; SYMB_DIM "0" at 322.199,350.266 h1.02 r90
R58: PIN_NUMBER "1" at 267.132,391.922 h0.51; PIN_NUMBER "2" at 266.116,391.922 h0.51; ASSEMBLY_BOTTOM "NO-POP" at 266.827,391.922 h0.64; ASSEMBLY_BOTTOM "TOLERANCE" at 266.827,389.382 h0.64; ASSEMBLY_BOTTOM "USERPART#" at 266.827,388.112 h0.64; SYMBOL_PART_DIM "PAD 35X32 OV" at 269.951,387.147 h0.64; SYMBOL_PART_DIM "C402-35X32" at 269.951,388.417 h0.64; SYMBOL_PART_DIM "0" at 267.03,389.788 h0.64; SYMBOL_PART_DIM "0" at 269.164,391.592 h0.64
R59: PIN_NUMBER "1" at 269.418,391.922 h0.51; PIN_NUMBER "2" at 268.402,391.922 h0.51; ASSEMBLY_BOTTOM "NO-POP" at 269.113,391.922 h0.64; ASSEMBLY_BOTTOM "TOLERANCE" at 269.113,389.382 h0.64; ASSEMBLY_BOTTOM "USERPART#" at 269.113,388.112 h0.64; SYMBOL_PART_DIM "PAD 35X32 OV" at 272.237,387.147 h0.64; SYMBOL_PART_DIM "C402-35X32" at 272.237,388.417 h0.64; SYMBOL_PART_DIM "0" at 269.316,389.788 h0.64; SYMBOL_PART_DIM "0" at 271.45,391.592 h0.64
R60: PIN_NUMBER "1" at 287.579,373.38 h0.51 r180; PIN_NUMBER "2" at 288.595,373.38 h0.51 r180; ASSEMBLY_BOTTOM "100K" at 288.29,373.38 h0.64 r180; ASSEMBLY_BOTTOM "TOLERANCE" at 288.29,375.92 h0.64 r180; ASSEMBLY_BOTTOM "USERPART#" at 288.29,377.19 h0.64 r180; SYMBOL_PART_DIM "PAD 35X32 OV" at 285.166,378.155 h0.64 r180; SYMBOL_PART_DIM "C402-35X32" at 285.166,376.885 h0.64 r180; SYMBOL_PART_DIM "0" at 288.087,375.514 h0.64 r180; SYMBOL_PART_DIM "0" at 285.953,373.71 h0.64 r180
R61: PIN_NUMBER "2" at 287.96,372.11 h0.51 r180; PIN_NUMBER "1" at 286.944,372.11 h0.51 r180; ASSEMBLY_BOTTOM "10K" at 287.655,372.11 h0.64 r180; ASSEMBLY_BOTTOM "TOLERANCE" at 287.655,374.65 h0.64 r180; ASSEMBLY_BOTTOM "USERPART#" at 287.655,375.92 h0.64 r180; SYMBOL_PART_DIM "PAD 35X32 OV" at 284.531,376.885 h0.64 r180; SYMBOL_PART_DIM "C402-35X32" at 284.531,375.615 h0.64 r180; SYMBOL_PART_DIM "0" at 287.452,374.244 h0.64 r180; SYMBOL_PART_DIM "0" at 285.318,372.44 h0.64 r180
R62: PIN_NUMBER "2" at 281.864,372.11 h0.51; PIN_NUMBER "1" at 282.88,372.11 h0.51; ASSEMBLY_BOTTOM "10K" at 282.575,372.11 h0.64; ASSEMBLY_BOTTOM "TOLERANCE" at 282.575,369.57 h0.64; ASSEMBLY_BOTTOM "USERPART#" at 282.575,368.3 h0.64; SYMBOL_PART_DIM "PAD 35X32 OV" at 285.699,367.335 h0.64; SYMBOL_PART_DIM "C402-35X32" at 285.699,368.605 h0.64; SYMBOL_PART_DIM "0" at 282.778,369.976 h0.64; SYMBOL_PART_DIM "0" at 284.912,371.78 h0.64
R63: PIN_NUMBER "2" at 304.521,345.186 h1.02 r270; PIN_NUMBER "1" at 304.521,348.234 h1.02 r270; ASSEMBLY_TOP "0.02" at 304.927,347.853 h1.02 r270; ASSEMBLY_TOP "X" at 304.927,346.837 h1.02 r270; ASSEMBLY_TOP "X" at 305.054,346.075 h1.02 r270; SYMB_DIM "PAD 40X70OV" at 301.6,335.915 h1.02 r270; SYMB_DIM "SM  48X78OV" at 299.822,335.915 h1.02 r270; SYMB_DIM "SP  40X70OV" at 297.79,335.915 h1.02 r270; SYMB_DIM "R1206-40X70" at 306.045,346.71 h1.02 r270; SYMB_DIM "0" at 301.625,347.345 h1.02 r270; SYMB_DIM "0" at 304.8,351.155 h1.02 r270
R64: PIN_NUMBER "2" at 306.426,356.489 h1.02 r90; PIN_NUMBER "1" at 306.426,353.441 h1.02 r90; ASSEMBLY_TOP "0.02" at 306.832,353.822 h1.02 r90; ASSEMBLY_TOP "X" at 306.832,354.838 h1.02 r90; ASSEMBLY_TOP "X" at 306.705,355.6 h1.02 r90; SYMB_DIM "PAD 40X70OV" at 301.219,365.76 h1.02 r90; SYMB_DIM "SM  48X78OV" at 302.997,365.76 h1.02 r90; SYMB_DIM "SP  40X70OV" at 305.029,365.76 h1.02 r90; SYMB_DIM "R1206-40X70" at 296.774,354.965 h1.02 r90; SYMB_DIM "0" at 310.134,354.33 h1.02 r90; SYMB_DIM "0" at 306.959,350.52 h1.02 r90
R65: PIN_NUMBER "1" at 321.107,320.802 h0.51 r270; PIN_NUMBER "2" at 321.107,321.818 h0.51 r270; ASSEMBLY_BOTTOM "10K" at 321.31,321.31 h0.64 r270; ASSEMBLY_BOTTOM "TOLERANCE" at 318.77,321.31 h0.64 r270; ASSEMBLY_BOTTOM "USERPART#" at 317.5,321.31 h0.64 r270; SYMBOL_PART_DIM "PAD 35X32 OV" at 316.535,318.186 h0.64 r270; SYMBOL_PART_DIM "C402-35X32" at 317.805,318.186 h0.64 r270; SYMBOL_PART_DIM "0" at 319.176,321.107 h0.64 r270; SYMBOL_PART_DIM "0" at 320.98,318.973 h0.64 r270
R66: PIN_NUMBER "1" at 321.107,324.358 h0.51 r90; PIN_NUMBER "2" at 321.107,323.342 h0.51 r90; ASSEMBLY_BOTTOM "22" at 321.31,323.85 h0.64 r90; ASSEMBLY_BOTTOM "TOLERANCE" at 323.85,323.85 h0.64 r90; ASSEMBLY_BOTTOM "USERPART#" at 325.12,323.85 h0.64 r90; SYMBOL_PART_DIM "PAD 35X32 OV" at 326.085,326.974 h0.64 r90; SYMBOL_PART_DIM "C402-35X32" at 324.815,326.974 h0.64 r90; SYMBOL_PART_DIM "0" at 323.444,324.053 h0.64 r90; SYMBOL_PART_DIM "0" at 321.64,326.187 h0.64 r90
R67: PIN_NUMBER "1" at 328.092,315.341 h0.51 r90; PIN_NUMBER "2" at 328.092,314.325 h0.51 r90; ASSEMBLY_BOTTOM "20K" at 328.295,314.833 h0.64 r90; ASSEMBLY_BOTTOM "TOLERANCE" at 330.835,314.833 h0.64 r90; ASSEMBLY_BOTTOM "USERPART#" at 332.105,314.833 h0.64 r90; SYMBOL_PART_DIM "PAD 35X32 OV" at 333.07,317.957 h0.64 r90; SYMBOL_PART_DIM "C402-35X32" at 331.8,317.957 h0.64 r90; SYMBOL_PART_DIM "0" at 330.429,315.036 h0.64 r90; SYMBOL_PART_DIM "0" at 328.625,317.17 h0.64 r90
R68: PIN_NUMBER "2" at 329.362,314.325 h0.51 r90; PIN_NUMBER "1" at 329.362,315.341 h0.51 r90; ASSEMBLY_BOTTOM "NO-POP" at 329.565,314.833 h0.64 r90; ASSEMBLY_BOTTOM "TOLERANCE" at 332.105,314.833 h0.64 r90; ASSEMBLY_BOTTOM "USERPART#" at 333.375,314.833 h0.64 r90; SYMBOL_PART_DIM "PAD 35X32 OV" at 334.34,317.957 h0.64 r90; SYMBOL_PART_DIM "C402-35X32" at 333.07,317.957 h0.64 r90; SYMBOL_PART_DIM "0" at 331.699,315.036 h0.64 r90; SYMBOL_PART_DIM "0" at 329.895,317.17 h0.64 r90
R69: PIN_NUMBER "1" at 323.647,324.358 h0.51 r90; PIN_NUMBER "2" at 323.647,323.342 h0.51 r90; ASSEMBLY_BOTTOM "22" at 323.85,323.85 h0.64 r90; ASSEMBLY_BOTTOM "TOLERANCE" at 326.39,323.85 h0.64 r90; ASSEMBLY_BOTTOM "USERPART#" at 327.66,323.85 h0.64 r90; SYMBOL_PART_DIM "PAD 35X32 OV" at 328.625,326.974 h0.64 r90; SYMBOL_PART_DIM "C402-35X32" at 327.355,326.974 h0.64 r90; SYMBOL_PART_DIM "0" at 325.984,324.053 h0.64 r90; SYMBOL_PART_DIM "0" at 324.18,326.187 h0.64 r90
R70: PIN_NUMBER "2" at 332.537,315.468 h0.51 r270; PIN_NUMBER "1" at 332.537,314.452 h0.51 r270; ASSEMBLY_BOTTOM "20K" at 332.74,314.96 h0.64 r270; ASSEMBLY_BOTTOM "TOLERANCE" at 330.2,314.96 h0.64 r270; ASSEMBLY_BOTTOM "USERPART#" at 328.93,314.96 h0.64 r270; SYMBOL_PART_DIM "PAD 35X32 OV" at 327.965,311.836 h0.64 r270; SYMBOL_PART_DIM "C402-35X32" at 329.235,311.836 h0.64 r270; SYMBOL_PART_DIM "0" at 330.606,314.757 h0.64 r270; SYMBOL_PART_DIM "0" at 332.41,312.623 h0.64 r270
R71: PIN_NUMBER "1" at 333.807,314.452 h0.51 r270; PIN_NUMBER "2" at 333.807,315.468 h0.51 r270; ASSEMBLY_BOTTOM "NO-POP" at 334.01,314.96 h0.64 r270; ASSEMBLY_BOTTOM "TOLERANCE" at 331.47,314.96 h0.64 r270; ASSEMBLY_BOTTOM "USERPART#" at 330.2,314.96 h0.64 r270; SYMBOL_PART_DIM "PAD 35X32 OV" at 329.235,311.836 h0.64 r270; SYMBOL_PART_DIM "C402-35X32" at 330.505,311.836 h0.64 r270; SYMBOL_PART_DIM "0" at 331.876,314.757 h0.64 r270; SYMBOL_PART_DIM "0" at 333.68,312.623 h0.64 r270
R72: PIN_NUMBER "1" at 314.757,321.818 h0.51 r90; PIN_NUMBER "2" at 314.757,320.802 h0.51 r90; ASSEMBLY_BOTTOM "22" at 314.96,321.31 h0.64 r90; ASSEMBLY_BOTTOM "TOLERANCE" at 317.5,321.31 h0.64 r90; ASSEMBLY_BOTTOM "USERPART#" at 318.77,321.31 h0.64 r90; SYMBOL_PART_DIM "PAD 35X32 OV" at 319.735,324.434 h0.64 r90; SYMBOL_PART_DIM "C402-35X32" at 318.465,324.434 h0.64 r90; SYMBOL_PART_DIM "0" at 317.094,321.513 h0.64 r90; SYMBOL_PART_DIM "0" at 315.29,323.647 h0.64 r90
R73: PIN_NUMBER "1" at 311.963,319.913 h0.51 r90; PIN_NUMBER "2" at 311.963,318.897 h0.51 r90; ASSEMBLY_BOTTOM "20K" at 312.166,319.405 h0.64 r90; ASSEMBLY_BOTTOM "TOLERANCE" at 314.706,319.405 h0.64 r90; ASSEMBLY_BOTTOM "USERPART#" at 315.976,319.405 h0.64 r90; SYMBOL_PART_DIM "PAD 35X32 OV" at 316.941,322.529 h0.64 r90; SYMBOL_PART_DIM "C402-35X32" at 315.671,322.529 h0.64 r90; SYMBOL_PART_DIM "0" at 314.3,319.608 h0.64 r90; SYMBOL_PART_DIM "0" at 312.496,321.742 h0.64 r90
R74: PIN_NUMBER "1" at 313.233,318.897 h0.51 r270; PIN_NUMBER "2" at 313.233,319.913 h0.51 r270; ASSEMBLY_BOTTOM "NO-POP" at 313.436,319.405 h0.64 r270; ASSEMBLY_BOTTOM "TOLERANCE" at 310.896,319.405 h0.64 r270; ASSEMBLY_BOTTOM "USERPART#" at 309.626,319.405 h0.64 r270; SYMBOL_PART_DIM "PAD 35X32 OV" at 308.661,316.281 h0.64 r270; SYMBOL_PART_DIM "C402-35X32" at 309.931,316.281 h0.64 r270; SYMBOL_PART_DIM "0" at 311.302,319.202 h0.64 r270; SYMBOL_PART_DIM "0" at 313.106,317.068 h0.64 r270
R75: PIN_NUMBER "2" at 322.377,323.342 h0.51 r90; PIN_NUMBER "1" at 322.377,324.358 h0.51 r90; ASSEMBLY_BOTTOM "22" at 322.58,323.85 h0.64 r90; ASSEMBLY_BOTTOM "TOLERANCE" at 325.12,323.85 h0.64 r90; ASSEMBLY_BOTTOM "USERPART#" at 326.39,323.85 h0.64 r90; SYMBOL_PART_DIM "PAD 35X32 OV" at 327.355,326.974 h0.64 r90; SYMBOL_PART_DIM "C402-35X32" at 326.085,326.974 h0.64 r90; SYMBOL_PART_DIM "0" at 324.714,324.053 h0.64 r90; SYMBOL_PART_DIM "0" at 322.91,326.187 h0.64 r90
R76: PIN_NUMBER "2" at 334.95,329.565 h0.51 r180; PIN_NUMBER "1" at 333.934,329.565 h0.51 r180; ASSEMBLY_BOTTOM "22" at 334.645,329.565 h0.64 r180; ASSEMBLY_BOTTOM "TOLERANCE" at 334.645,332.105 h0.64 r180; ASSEMBLY_BOTTOM "USERPART#" at 334.645,333.375 h0.64 r180; SYMBOL_PART_DIM "PAD 35X32 OV" at 331.521,334.34 h0.64 r180; SYMBOL_PART_DIM "C402-35X32" at 331.521,333.07 h0.64 r180; SYMBOL_PART_DIM "0" at 334.442,331.699 h0.64 r180; SYMBOL_PART_DIM "0" at 332.308,329.895 h0.64 r180
R77: PIN_NUMBER "2" at 323.647,320.802 h0.51 r90; PIN_NUMBER "1" at 323.647,321.818 h0.51 r90; ASSEMBLY_BOTTOM "22" at 323.85,321.31 h0.64 r90; ASSEMBLY_BOTTOM "TOLERANCE" at 326.39,321.31 h0.64 r90; ASSEMBLY_BOTTOM "USERPART#" at 327.66,321.31 h0.64 r90; SYMBOL_PART_DIM "PAD 35X32 OV" at 328.625,324.434 h0.64 r90; SYMBOL_PART_DIM "C402-35X32" at 327.355,324.434 h0.64 r90; SYMBOL_PART_DIM "0" at 325.984,321.513 h0.64 r90; SYMBOL_PART_DIM "0" at 324.18,323.647 h0.64 r90
R78: PIN_NUMBER "1" at 326.187,321.818 h0.51 r90; PIN_NUMBER "2" at 326.187,320.802 h0.51 r90; ASSEMBLY_BOTTOM "22" at 326.39,321.31 h0.64 r90; ASSEMBLY_BOTTOM "TOLERANCE" at 328.93,321.31 h0.64 r90; ASSEMBLY_BOTTOM "USERPART#" at 330.2,321.31 h0.64 r90; SYMBOL_PART_DIM "PAD 35X32 OV" at 331.165,324.434 h0.64 r90; SYMBOL_PART_DIM "C402-35X32" at 329.895,324.434 h0.64 r90; SYMBOL_PART_DIM "0" at 328.524,321.513 h0.64 r90; SYMBOL_PART_DIM "0" at 326.72,323.647 h0.64 r90
R79: PIN_NUMBER "1" at 326.187,324.358 h0.51 r90; PIN_NUMBER "2" at 326.187,323.342 h0.51 r90; ASSEMBLY_BOTTOM "22" at 326.39,323.85 h0.64 r90; ASSEMBLY_BOTTOM "TOLERANCE" at 328.93,323.85 h0.64 r90; ASSEMBLY_BOTTOM "USERPART#" at 330.2,323.85 h0.64 r90; SYMBOL_PART_DIM "PAD 35X32 OV" at 331.165,326.974 h0.64 r90; SYMBOL_PART_DIM "C402-35X32" at 329.895,326.974 h0.64 r90; SYMBOL_PART_DIM "0" at 328.524,324.053 h0.64 r90; SYMBOL_PART_DIM "0" at 326.72,326.187 h0.64 r90
R80: PIN_NUMBER "1" at 322.377,321.818 h0.51 r90; PIN_NUMBER "2" at 322.377,320.802 h0.51 r90; ASSEMBLY_BOTTOM "22" at 322.58,321.31 h0.64 r90; ASSEMBLY_BOTTOM "TOLERANCE" at 325.12,321.31 h0.64 r90; ASSEMBLY_BOTTOM "USERPART#" at 326.39,321.31 h0.64 r90; SYMBOL_PART_DIM "PAD 35X32 OV" at 327.355,324.434 h0.64 r90; SYMBOL_PART_DIM "C402-35X32" at 326.085,324.434 h0.64 r90; SYMBOL_PART_DIM "0" at 324.714,321.513 h0.64 r90; SYMBOL_PART_DIM "0" at 322.91,323.647 h0.64 r90
R81: PIN_NUMBER "1" at 337.49,325.755 h0.51; PIN_NUMBER "2" at 336.474,325.755 h0.51; ASSEMBLY_BOTTOM "20K" at 337.185,325.755 h0.64; ASSEMBLY_BOTTOM "TOLERANCE" at 337.185,323.215 h0.64; ASSEMBLY_BOTTOM "USERPART#" at 337.185,321.945 h0.64; SYMBOL_PART_DIM "PAD 35X32 OV" at 340.309,320.98 h0.64; SYMBOL_PART_DIM "C402-35X32" at 340.309,322.25 h0.64; SYMBOL_PART_DIM "0" at 337.388,323.621 h0.64; SYMBOL_PART_DIM "0" at 339.522,325.425 h0.64
R82: PIN_NUMBER "1" at 333.934,327.025 h0.51 r180; PIN_NUMBER "2" at 334.95,327.025 h0.51 r180; ASSEMBLY_BOTTOM "22" at 334.645,327.025 h0.64 r180; ASSEMBLY_BOTTOM "TOLERANCE" at 334.645,329.565 h0.64 r180; ASSEMBLY_BOTTOM "USERPART#" at 334.645,330.835 h0.64 r180; SYMBOL_PART_DIM "PAD 35X32 OV" at 331.521,331.8 h0.64 r180; SYMBOL_PART_DIM "C402-35X32" at 331.521,330.53 h0.64 r180; SYMBOL_PART_DIM "0" at 334.442,329.159 h0.64 r180; SYMBOL_PART_DIM "0" at 332.308,327.355 h0.64 r180
R83: PIN_NUMBER "1" at 316.027,303.022 h0.51 r270; PIN_NUMBER "2" at 316.027,304.038 h0.51 r270; ASSEMBLY_BOTTOM "2K" at 316.23,303.53 h0.64 r270; ASSEMBLY_BOTTOM "TOLERANCE" at 313.69,303.53 h0.64 r270; ASSEMBLY_BOTTOM "USERPART#" at 312.42,303.53 h0.64 r270; SYMBOL_PART_DIM "PAD 35X32 OV" at 311.455,300.406 h0.64 r270; SYMBOL_PART_DIM "C402-35X32" at 312.725,300.406 h0.64 r270; SYMBOL_PART_DIM "0" at 314.096,303.327 h0.64 r270; SYMBOL_PART_DIM "0" at 315.9,301.193 h0.64 r270
R84: PIN_NUMBER "1" at 323.012,303.022 h0.51 r270; PIN_NUMBER "2" at 323.012,304.038 h0.51 r270; ASSEMBLY_BOTTOM "2K" at 323.215,303.53 h0.64 r270; ASSEMBLY_BOTTOM "TOLERANCE" at 320.675,303.53 h0.64 r270; ASSEMBLY_BOTTOM "USERPART#" at 319.405,303.53 h0.64 r270; SYMBOL_PART_DIM "PAD 35X32 OV" at 318.44,300.406 h0.64 r270; SYMBOL_PART_DIM "C402-35X32" at 319.71,300.406 h0.64 r270; SYMBOL_PART_DIM "0" at 321.081,303.327 h0.64 r270; SYMBOL_PART_DIM "0" at 322.885,301.193 h0.64 r270
R85: PIN_NUMBER "1" at 336.474,327.025 h0.51 r180; PIN_NUMBER "2" at 337.49,327.025 h0.51 r180; ASSEMBLY_BOTTOM "NO-POP" at 337.185,327.025 h0.64 r180; ASSEMBLY_BOTTOM "TOLERANCE" at 337.185,329.565 h0.64 r180; ASSEMBLY_BOTTOM "USERPART#" at 337.185,330.835 h0.64 r180; SYMBOL_PART_DIM "PAD 35X32 OV" at 334.061,331.8 h0.64 r180; SYMBOL_PART_DIM "C402-35X32" at 334.061,330.53 h0.64 r180; SYMBOL_PART_DIM "0" at 336.982,329.159 h0.64 r180; SYMBOL_PART_DIM "0" at 334.848,327.355 h0.64 r180
R86: PIN_NUMBER "2" at 334.95,328.295 h0.51 r180; PIN_NUMBER "1" at 333.934,328.295 h0.51 r180; ASSEMBLY_BOTTOM "22" at 334.645,328.295 h0.64 r180; ASSEMBLY_BOTTOM "TOLERANCE" at 334.645,330.835 h0.64 r180; ASSEMBLY_BOTTOM "USERPART#" at 334.645,332.105 h0.64 r180; SYMBOL_PART_DIM "PAD 35X32 OV" at 331.521,333.07 h0.64 r180; SYMBOL_PART_DIM "C402-35X32" at 331.521,331.8 h0.64 r180; SYMBOL_PART_DIM "0" at 334.442,330.429 h0.64 r180; SYMBOL_PART_DIM "0" at 332.308,328.625 h0.64 r180
R87: PIN_NUMBER "2" at 327.457,323.342 h0.51 r90; PIN_NUMBER "1" at 327.457,324.358 h0.51 r90; ASSEMBLY_BOTTOM "22" at 327.66,323.85 h0.64 r90; ASSEMBLY_BOTTOM "TOLERANCE" at 330.2,323.85 h0.64 r90; ASSEMBLY_BOTTOM "USERPART#" at 331.47,323.85 h0.64 r90; SYMBOL_PART_DIM "PAD 35X32 OV" at 332.435,326.974 h0.64 r90; SYMBOL_PART_DIM "C402-35X32" at 331.165,326.974 h0.64 r90; SYMBOL_PART_DIM "0" at 329.794,324.053 h0.64 r90; SYMBOL_PART_DIM "0" at 327.99,326.187 h0.64 r90
R88: PIN_NUMBER "1" at 329.997,303.022 h0.51 r270; PIN_NUMBER "2" at 329.997,304.038 h0.51 r270; ASSEMBLY_BOTTOM "2K" at 330.2,303.53 h0.64 r270; ASSEMBLY_BOTTOM "TOLERANCE" at 327.66,303.53 h0.64 r270; ASSEMBLY_BOTTOM "USERPART#" at 326.39,303.53 h0.64 r270; SYMBOL_PART_DIM "PAD 35X32 OV" at 325.425,300.406 h0.64 r270; SYMBOL_PART_DIM "C402-35X32" at 326.695,300.406 h0.64 r270; SYMBOL_PART_DIM "0" at 328.066,303.327 h0.64 r270; SYMBOL_PART_DIM "0" at 329.87,301.193 h0.64 r270
R89: PIN_NUMBER "1" at 336.982,303.022 h0.51 r270; PIN_NUMBER "2" at 336.982,304.038 h0.51 r270; ASSEMBLY_BOTTOM "2K" at 337.185,303.53 h0.64 r270; ASSEMBLY_BOTTOM "TOLERANCE" at 334.645,303.53 h0.64 r270; ASSEMBLY_BOTTOM "USERPART#" at 333.375,303.53 h0.64 r270; SYMBOL_PART_DIM "PAD 35X32 OV" at 332.41,300.406 h0.64 r270; SYMBOL_PART_DIM "C402-35X32" at 333.68,300.406 h0.64 r270; SYMBOL_PART_DIM "0" at 335.051,303.327 h0.64 r270; SYMBOL_PART_DIM "0" at 336.855,301.193 h0.64 r270
R90: PIN_NUMBER "2" at 333.934,335.915 h0.51; PIN_NUMBER "1" at 334.95,335.915 h0.51; ASSEMBLY_BOTTOM "22" at 334.645,335.915 h0.64; ASSEMBLY_BOTTOM "TOLERANCE" at 334.645,333.375 h0.64; ASSEMBLY_BOTTOM "USERPART#" at 334.645,332.105 h0.64; SYMBOL_PART_DIM "PAD 35X32 OV" at 337.769,331.14 h0.64; SYMBOL_PART_DIM "C402-35X32" at 337.769,332.41 h0.64; SYMBOL_PART_DIM "0" at 334.848,333.781 h0.64; SYMBOL_PART_DIM "0" at 336.982,335.585 h0.64
R91: PIN_NUMBER "2" at 333.934,337.185 h0.51; PIN_NUMBER "1" at 334.95,337.185 h0.51; ASSEMBLY_BOTTOM "22" at 334.645,337.185 h0.64; ASSEMBLY_BOTTOM "TOLERANCE" at 334.645,334.645 h0.64; ASSEMBLY_BOTTOM "USERPART#" at 334.645,333.375 h0.64; SYMBOL_PART_DIM "PAD 35X32 OV" at 337.769,332.41 h0.64; SYMBOL_PART_DIM "C402-35X32" at 337.769,333.68 h0.64; SYMBOL_PART_DIM "0" at 334.848,335.051 h0.64; SYMBOL_PART_DIM "0" at 336.982,336.855 h0.64